# Altium PCB PA_8CH_CTRL.PcbDoc (part 5 of 10)
Units mm, origin at the board's own origin, x right, y up, seen from the top; angles counter-clockwise.
Board outline 390 x 110 mm, 4 copper layers (Component Side, Signal Layer 1, Power Plane, Solder Side), stack 1.604 mm thick; 833 components, 525 nets, 2536 pads, 1881 vias.
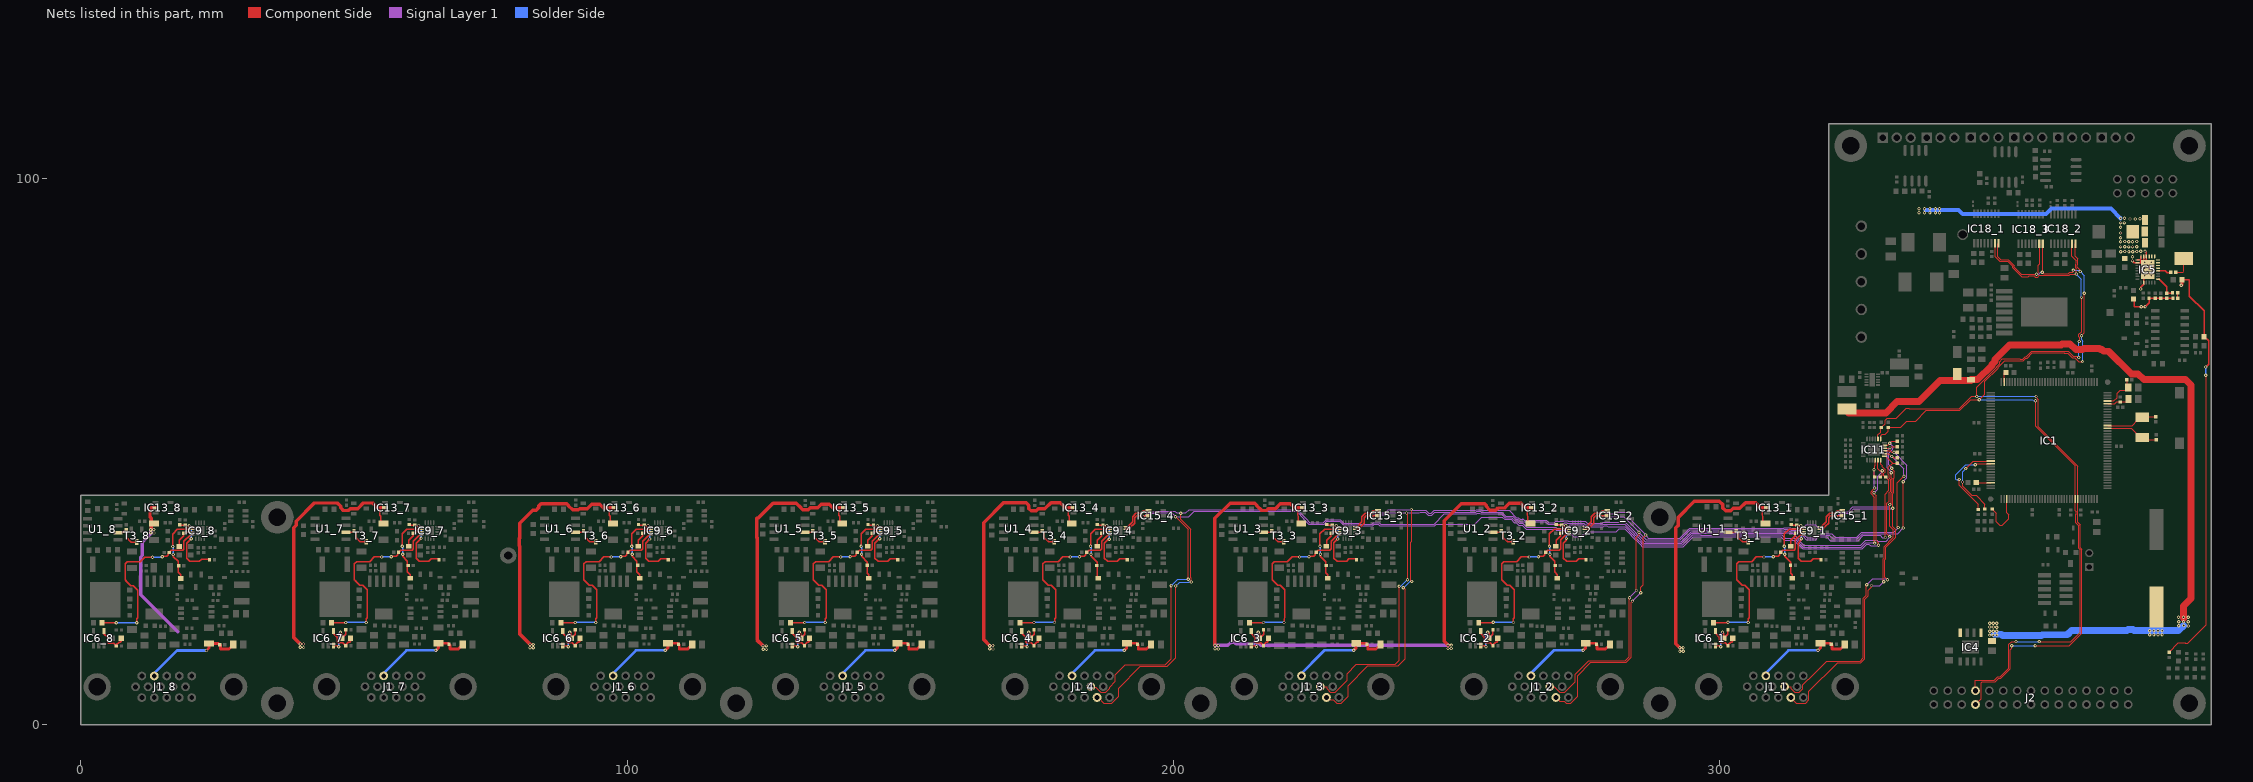
[diagram p7: the nets of this part, all layers, seen from the top]

## Via types
v1: diameter 0.6, hole 0.3, Component Side to Solder Side, tented both sides, 1530 vias
v2: diameter 0.6, hole 0.3, Component Side to Solder Side, 351 vias

## Nets (pads, with @x,y where several pads share a name; then routed paths per layer and width w, separated by ;. In a path a pad name is that pad's centre, name@x,y a point inside that pad or via, vN(x,y) a via of type N, cw(c..) or ccw(c..) an arc to the next point about the centre after c; other vN are vias at no path point) (continued)
I2C4_SCL: IC9_4.3 IC11.11 IC15_4.5 J1_4.9 R74.1 | length 216.6
  Component Side w0.152: J1_4.9@184.895,7 184.961,6.934 185.792,6.934 186.755,5.971 187.607,5.971 188.333,6.698 188.333,6.934 189.351,7.951 189.351,9.214 191.186,11.049 198.552,11.049 199.593,12.09 v1(199.593,25.451) ; v1(200.406,38.1) 202.717,35.789 v1(202.717,26.67) ; v1@328.194,42.724 328.157,42.724 328.026,42.593 328.655,41.963 328.655,33.803 329.082,33.376 v1(329.082,32.893) ; IC11.11@328.991,48.453 328.991,46.853 329.432,46.412 329.521,46.5 v1(329.75,46.5) 329.75,45.682 R74.1@329.432,45.365
  Component Side w0.254: IC9_4.3@191.319,35.81 191.843,35.81 191.92,35.887 191.92,35.99 192.51,36.579 192.612,36.579 192.938,36.905 192.938,37.953 193.287,38.302 193.924,38.302 194.176,38.049 v1(194.462,38.049) 194.715,38.302 195.405,38.302 IC15_4.5@195.448,38.259
  Signal Layer 1 w0.152: v1@194.474,38.232 194.696,38.232 195.207,38.743 197.12,38.743 197.193,38.816 199.69,38.816 v1(200.406,38.1) ; v1@200.406,38.075 202.819,38.075 203.805,39.06 222.597,39.06 223.917,37.74 223.917,37.655 224.835,36.737 227.592,36.737 228.117,37.262 230.43,37.262 231.082,36.61 234.045,36.61 234.209,36.445 236.5,36.445 236.75,36.695 237.555,36.695 237.805,36.445 247.853,36.445 248.161,36.753 255.156,36.753 256.448,38.044 260.193,38.044 260.641,37.597 261.86,37.597 262.431,37.025 262.798,37.025 263.237,36.586 263.846,36.586 264.597,35.835 269.915,35.835 270.079,35.67 272.035,35.67 273.263,34.442 274.615,34.442 274.94,34.768 275.204,34.768 275.827,35.391 281.101,35.391 281.626,35.916 282.591,35.916 283.806,34.701 283.806,34.652 284.652,33.807 284.733,33.807 285.442,33.098 285.442,33.065 285.869,32.638 293.343,32.638 295.172,34.467 296.381,34.467 296.4,34.447 298.85,34.447 298.869,34.467 311.211,34.467 311.851,33.827 313.636,33.827 313.796,33.666 313.796,33.615 315.184,32.228 326.069,32.228 326.908,33.066 327.346,33.066 327.666,32.745 328.935,32.745 v1(329.082,32.893) ; v1(328.25,42.5) 328.286,42.5 328.925,43.139 328.925,45.518 329.75,46.343 v1(329.75,46.5)
  Solder Side w0.152: v1(199.593,25.451) 200.812,26.67 v1(202.717,26.67)
I2C4_SDA: IC9_4.4 IC11.10 IC15_4.4 J1_4.4 R73.1 | length 214.9
  Component Side w0.152: J1_4.4@185.544,5.02 J1_4.4@186.036,5.02 186.255,5.02 187.284,3.991 188.748,3.991 190.004,5.247 190.004,6.743 193.954,10.693 198.857,10.693 200.482,12.319 200.482,25.375 v1(200.431,25.425) ; v1(201.346,38.76) 201.346,37.657 203.221,35.781 203.221,26.914 203.246,26.889 203.246,26.451 203.221,26.426 203.221,26.242 v1(203.302,26.162) ; v1(328.397,33.274) 328.351,33.32 328.351,41.652 327.721,42.281 327.721,42.719 328.031,43.029 328.067,43.029 v1(328.397,43.358) ; R73.1@328.432,45.365 328.491,45.423 328.219,45.696 328.27,45.746 v1(328.27,46.711) 328.37,46.811 328.37,47.447 328.491,47.569 IC11.10@328.491,48.453
  Component Side w0.254: IC9_4.4@191.319,36.31 191.638,36.31 192.532,37.203 192.532,38.121 193.119,38.708 v1@194.037,38.708 ; v1(194.234,38.811) 194.234,38.905 194.537,39.209 IC15_4.4@195.448,39.209
  Signal Layer 1 w0.152: v1(194.234,38.811) 194.471,39.048 196.994,39.048 197.067,39.121 200.3,39.121 200.635,38.786 v1@201.092,38.786 ; v1@201.346,38.786 202.316,38.786 202.895,39.365 222.723,39.365 224.221,37.867 224.221,37.781 224.961,37.042 227.466,37.042 227.991,37.567 230.556,37.567 231.208,36.915 234.171,36.915 234.336,36.75 236.374,36.75 236.624,37 237.681,37 237.931,36.75 247.727,36.75 249.618,38.64 255.52,38.64 255.661,38.781 256.099,38.781 256.239,38.64 260.028,38.64 260.767,37.902 261.986,37.902 262.558,37.33 262.924,37.33 263.364,36.89 263.973,36.89 264.724,36.139 270.041,36.139 270.206,35.975 272.056,35.975 272.366,36.284 272.366,36.349 272.657,36.64 274.967,36.64 275.361,36.246 278.732,36.246 278.934,36.448 279.372,36.448 279.574,36.246 282.693,36.246 284.111,34.827 284.111,34.778 284.778,34.112 284.859,34.112 285.747,33.224 285.747,33.191 285.996,32.943 293.213,32.943 295.042,34.771 296.507,34.771 296.526,34.752 298.724,34.752 298.743,34.771 311.338,34.771 311.978,34.132 313.762,34.132 314.101,33.792 314.101,33.742 315.31,32.533 325.943,32.533 326.781,33.371 328.3,33.371 v1(328.397,33.274) ; v1(328.27,46.711) 328.27,43.485 v1(328.397,43.358)
  Solder Side w0.152: v1(200.431,25.425) 201.147,26.141 202.936,26.141 202.957,26.162 v1(203.302,26.162)
I2C5_SCL: IC9_3.3 IC11.13 IC15_3.5 J1_3.9 R76.1 | length 170.6
  Component Side w0.152: J1_3.9@226.895,7 228.134,7 228.152,6.982 228.152,6.574 228.755,5.971 229.607,5.971 231.803,8.167 231.803,9.375 233.528,11.1 240.651,11.1 241.346,11.795 241.346,25.379 v1(241.325,25.4) ; v1(242.697,38.788) 242.875,38.61 v1(242.875,26.543) ; IC11.13@330.191,49.153 330.425,49.153 331.675,47.903 ; v1(331.14,34.468) 330.637,34.971 330.637,40.554 331.055,40.972 331.055,42.542 331.305,42.792 331.305,44.906 331.055,45.156 331.055,45.743 330.891,45.907 330.891,47.118 331.675,47.903 ; R76.1@332.521,47.903 331.675,47.903
  Component Side w0.254: IC9_3.3@233.319,35.81 233.843,35.81 234.938,36.905 234.938,37.953 235.287,38.302 236.011,38.302 v1@236.082,38.232 ; v1(236.296,38.049) 236.379,38.049 236.632,38.302 237.405,38.302 IC15_3.5@237.448,38.259
  Signal Layer 1 w0.152: v1(236.296,38.049) 236.307,38.049 236.764,38.506 238.883,38.506 239.165,38.788 v1(242.697,38.788) 245.008,38.788 245.166,38.945 246.126,38.945 246.655,38.417 247.345,38.417 247.874,38.945 255.394,38.945 255.534,39.086 256.225,39.086 256.365,38.945 260.154,38.945 260.893,38.206 262.113,38.206 262.684,37.635 263.05,37.635 263.49,37.195 268.124,37.195 268.624,36.695 271.282,36.695 271.618,37.032 272.056,37.032 272.143,36.945 275.093,36.945 275.428,36.61 278.665,36.61 278.807,36.753 282.617,36.753 284.416,34.953 284.416,34.905 284.904,34.417 284.986,34.417 286.052,33.35 286.052,33.317 286.122,33.247 293.087,33.247 294.916,35.076 296.633,35.076 296.652,35.057 298.598,35.057 298.617,35.076 312.078,35.076 312.201,35.2 312.639,35.2 312.787,35.052 313.399,35.052 314.406,34.045 314.406,33.868 315.436,32.837 325.817,32.837 326.782,33.803 328.797,33.803 328.965,33.634 330.47,33.634 331.14,34.304 v1(331.14,34.468)
  Solder Side w0.152: v1(241.325,25.4) 241.635,25.4 242.778,26.543 v1(242.875,26.543)
I2C5_SDA: IC9_3.4 IC11.12 IC15_3.4 J1_3.4 R75.1 | length 170
  Component Side w0.152: J1_3.4@227.544,5.02 J1_3.4@228.036,5.02 228.462,4.594 229.293,4.594 229.896,3.991 230.748,3.991 232.004,5.247 232.004,7.188 235.61,10.795 241.147,10.795 242.443,12.091 242.443,24.841 242.164,25.121 v1(242.113,25.121) ; v1(243.586,39.416) 243.637,39.365 243.637,33.634 243.471,33.469 243.471,26.429 v1(243.637,26.264) ; IC11.12@329.491,48.453 329.491,47.75 329.75,47.491 329.75,47.248 330.279,46.719 330.279,46.281 330.055,46.057 330.055,45.638 330.75,44.943 330.837,44.943 331,44.78 331,42.918 330.332,42.25 330.332,34.336 v1(330.378,34.29)
  Component Side w0.254: IC9_3.4@233.319,36.31 233.638,36.31 234.532,37.203 234.532,38.121 235.119,38.708 236.037,38.708 v1@236.192,38.864 ; v1(236.322,38.811) 236.245,38.811 v1@236.192,38.864 ; IC15_3.4@237.448,39.209 236.537,39.209 v1@236.192,38.864
  Signal Layer 1 w0.152: v1(236.322,38.811) 238.757,38.811 239.362,39.416 v1(243.586,39.416) 243.752,39.25 246.252,39.25 246.781,38.721 247.219,38.721 247.748,39.25 255.268,39.25 255.408,39.391 256.351,39.391 256.492,39.25 260.879,39.25 260.893,39.264 261.486,39.264 262.81,37.94 263.176,37.94 263.486,37.63 263.924,37.63 264.009,37.716 264.225,37.5 268.25,37.5 268.75,37 269.75,37 270,37.25 271.405,37.25 271.492,37.337 272.183,37.337 272.269,37.25 275.398,37.25 275.733,36.915 278.538,36.915 278.681,37.057 282.743,37.057 284.721,35.08 284.721,35.031 285.03,34.721 285.188,34.721 286.357,33.552 292.961,33.552 294.79,35.381 296.759,35.381 296.779,35.362 298.471,35.362 298.491,35.381 311.951,35.381 312.075,35.504 312.765,35.504 312.913,35.357 314.463,35.357 315.206,34.614 315.206,34.589 315.873,33.922 317.575,33.922 318.073,34.42 319.579,34.42 320.257,33.743 325.337,33.743 326.286,34.692 329.403,34.692 329.805,34.29 v1(330.378,34.29)
  Solder Side w0.152: v1(242.113,25.121) 242.2,25.121 243.343,26.264 v1(243.637,26.264)
I2C6_SCL: IC9_2.3 IC11.15 IC15_2.5 J1_2.9 R78.1 | length 125.5
  Component Side w0.152: J1_2.9@268.895,7 269.726,7 270.755,5.971 271.671,5.971 273.55,7.85 273.55,9.245 276.055,11.75 282.75,11.75 283.5,12.5 v1(283.5,23.25) ; v1(284.785,24.587) 284.785,34.341 285.249,34.805 v1(285.249,35.25) ; IC11.15@330.191,50.153 331.254,50.153 331.504,49.903 v1(331.927,49.903) R78.1@332.521,49.903 ; v1(333.629,36.043) v1(333.629,44.5)
  Component Side w0.254: IC9_2.3@275.319,35.81 275.843,35.81 276.938,36.905 276.938,37.953 277.287,38.302 277.921,38.302 277.992,38.232 ; v1(278.257,38.059) 278.299,38.059 278.542,38.302 279.405,38.302 IC15_2.5@279.448,38.259
  Signal Layer 1 w0.152: v1(278.257,38.059) 282.489,38.059 285.249,35.299 v1(285.249,35.25) ; v1(283.5,23.25) 284.785,24.535 v1(284.785,24.587) ; v1@285.021,35.44 286.604,33.857 292.835,33.857 294.663,35.686 296.886,35.686 296.905,35.667 297.595,35.667 297.614,35.686 297.636,35.686 297.655,35.667 298.345,35.667 298.364,35.686 311.825,35.686 311.949,35.809 312.891,35.809 313.039,35.662 314.589,35.662 315.511,34.74 315.511,34.715 315.999,34.227 317.449,34.227 317.887,34.665 317.947,34.725 320.113,34.725 320.791,34.047 325.211,34.047 326.16,34.996 332.583,34.996 v1(333.629,36.043) ; v1(331.927,49.903) 334.279,47.551 334.279,45.281 333.629,44.631 v1(333.629,44.5)
I2C6_SDA: IC9_2.4 IC11.14 IC15_2.4 J1_2.4 R77.1 | length 126.4
  Component Side w0.152: J1_2.4@270.036,5.02 270.76,4.296 271.591,4.296 271.896,3.991 272.748,3.991 274.004,5.247 274.004,9.004 276.445,11.445 282.876,11.445 283.805,12.374 283.805,22.413 v1(284.048,22.657) ; v1(285.572,24.181) 285.572,25.186 286.025,25.638 286.025,34.311 v1(286.461,34.747) ; IC11.14@330.191,49.653 330.992,49.653 v1(331.508,49.136) 331.742,48.903 R77.1@332.521,48.903 ; v1(332.689,36.119) 332.542,36.266 332.542,44.292 v1(333.75,45.5)
  Component Side w0.254: IC9_2.4@275.319,36.31 275.638,36.31 276.532,37.203 276.532,38.121 277.119,38.708 278.037,38.708 278.537,39.209 IC15_2.4@279.448,39.209
  Signal Layer 1 w0.152: v1@278.241,38.913 279.158,38.913 279.403,38.667 281.188,38.667 281.433,38.913 283.237,38.913 283.672,38.478 283.672,37.624 286.461,34.834 v1(286.461,34.747) ; v1(284.048,22.657) v1(285.572,24.181) ; v1@286.647,34.79 286.647,34.485 286.97,34.162 292.708,34.162 294.537,35.991 297.012,35.991 297.031,35.971 297.469,35.971 297.488,35.991 297.762,35.991 297.781,35.971 298.219,35.971 298.238,35.991 311.699,35.991 311.822,36.114 313.018,36.114 313.165,35.966 315.138,35.966 315.824,36.652 317.499,36.652 319.122,35.03 320.519,35.03 321.197,34.352 325.085,34.352 326.034,35.301 331.872,35.301 v1(332.689,36.119) ; v1(331.508,49.136) 333.75,46.894 v1(333.75,45.5)
  other v1: 278.232,38.811
I2C7_SCL: IC9_1.3 IC11.17 IC15_1.5 J1_1.9 R80.1 | length 83.1
  Component Side w0.152: J1_1.9@311.895,7 313.134,7 313.152,7.018 313.152,6.574 313.755,5.971 314.607,5.971 315.21,6.574 315.21,7.385 316.2,8.375 316.316,8.375 319.625,11.684 325.741,11.684 326.309,12.252 326.309,12.69 326.299,12.7 326.299,23.15 326.873,23.724 326.873,25.578 v1(326.923,25.629) ; IC11.17@330.191,51.153 330.781,51.153 331.531,51.903 R80.1@332.521,51.903 ; v1(330.733,26.568) 330.256,27.046 330.256,30.261 330.401,30.406 330.401,32.498 332.232,34.329 332.232,35.712 331.699,36.246 v1(331.699,39.675) 331.699,42.324 331.914,42.539 331.914,45.159 331.973,45.218 331.973,46.396 331.521,46.849 v1(331.521,46.99)
  Component Side w0.254: IC9_1.3@318.319,35.81 318.843,35.81 319.359,36.326 319.359,36.333 319.938,36.912 319.938,37.953 320.287,38.302 321,38.302 321.07,38.232 v1@321.412,38.232 ; v1(321.412,38.049) v1@321.412,38.232 ; IC15_1.5@322.448,38.259 322.405,38.302 321.62,38.302 321.55,38.232 v1@321.412,38.232
  Signal Layer 1 w0.152: v1@321.386,38.049 322.08,38.743 323.689,38.743 324.534,39.588 331.612,39.588 v1(331.699,39.675) ; v1(326.923,25.629) 328.036,26.741 330.56,26.741 v1(330.733,26.568) ; v1(331.14,51.537) 331.749,50.927 331.749,50.673 ; v1(331.521,46.99) 331.521,47.092 330.98,47.633 330.98,49.74 331.719,50.479 331.719,50.673
  Signal Layer 1 w0.254: v1@321.386,38.049 v1(321.412,38.049)
I2C7_SDA: IC9_1.4 IC11.16 IC15_1.4 J1_1.4 R79.1 | length 80
  Component Side w0.152: J1_1.4@313.036,5.02 314.065,3.991 315.748,3.991 316.351,4.594 316.351,6.14 321.589,11.379 325.867,11.379 326.614,12.126 326.614,12.817 326.604,12.826 326.604,23.024 327.177,23.597 327.177,24.638 327.812,25.273 v1(327.812,25.502) ; v1(330.022,26.213) 329.951,26.284 329.951,30.387 330.096,30.533 330.096,32.625 331.8,34.328 331.8,35.713 331.165,36.348 v1(331.165,40.335) 331.394,40.564 331.394,42.45 331.61,42.666 331.61,45.033 331.394,45.248 331.394,46.126 v1(331.445,46.177) ; IC11.16@330.191,50.653 v1@331.191,50.653 ; v1@331.246,50.653 331.496,50.903 R79.1@332.521,50.903
  Component Side w0.254: IC9_1.4@318.319,36.31 318.638,36.31 319.532,37.203 319.532,38.121 320.119,38.708 v1@321.037,38.708 ; v1(321.31,38.811) 321.31,38.862 321.25,38.922 321.537,39.209 IC15_1.4@322.448,39.209
  Signal Layer 1 w0.152: v1(321.31,38.811) 321.547,39.048 323.563,39.048 324.408,39.893 331.078,39.893 331.165,39.98 v1(331.165,40.335) ; v1(327.812,25.502) 329.311,25.502 v1(330.022,26.213) ; v1(331.191,50.698) 330.675,50.183 330.675,47.089 331.434,46.33 331.558,46.33 331.445,46.216 v1(331.445,46.177)
I2C_SCL: IC1.136 IC11.19 IC18_1.16 IC18_2.16 IC18_3.16 J2.23 R62.2 | length 177.6
  Component Side w0.152: IC11.19@329.491,52.353 329.491,52.885 329.794,53.188 330.302,53.188 330.86,53.746 R62.2@330.86,54.445 332.397,54.445 332.473,54.521 333.134,54.521 334.239,55.626 335.915,55.626 337.845,57.556 343.987,57.556 345.969,59.538 v1@347.523,59.538 ; J2.23@346.84,6.27 346.84,8.167 350.302,8.167 350.949,8.814 351.358,8.814 352.914,10.37 352.914,14.25 352.971,14.307 352.971,14.719 353.502,15.25 v2(354.249,15.25) ; v1(347.523,59.512) 348.555,60.544 348.555,62.874 351.007,65.326 351.007,65.472 351.317,65.781 352.202,66.666 355.594,66.666 356.033,67.105 356.286,67.105 357.264,68.083 363.095,68.083 363.124,68.055 363.748,68.055 364.59,67.213 365.021,67.213 365.734,66.5 v2(366.445,66.5) ; IC18_1.16@351.047,88.15 350.92,88.023 350.92,85.661 351.451,85.13 352.876,85.13 353.942,84.064 353.942,83.804 355.246,82.5 v2(358,82.5) ; v1(357.835,59.309) 357.835,54.687 365.074,47.448 IC1.136@365.074,41.345 365.074,39.217 365.247,39.045 365.247,38.588 365.231,38.572 365.231,36.974 365.714,36.492 365.714,32.297 365.984,32.027 365.984,16.984 364.25,15.25 v2(358.499,15.25) ; IC18_3.16@359.148,88.05 359.148,82.964 v2(359.057,82.873) 359.345,82.586 363.845,82.586 364.095,82.836 364.664,82.836 364.75,82.922 v2(364.75,83.25) ; IC18_2.16@365.123,88.1 365.123,85.753 365.583,85.292 365.583,84.331 365.471,84.219 365.471,83.781 366,83.252 v2(366,83) ; v2(366.25,71.25) 366.75,71.75 366.75,78.003 366.778,78.031 366.778,78.972 v2(366.75,79)
  Solder Side w0.152: v1@347.497,59.538 357.265,59.538 357.494,59.309 v1(357.835,59.309) ; v2(354.249,15.25) v2(358.499,15.25) ; v2(358,82.5) 358.375,82.5 358.748,82.873 v2(359.057,82.873) ; v2(364.75,83.25) 365.75,83.25 v2(366,83) 366.75,82.25 v2(366.75,79) ; v2(366.25,71.25) 366.25,70.5 366.499,70.251 v2@366.499,66.501 ; v2(366.445,66.5) v2@366.499,66.5
I2C_SDA: IC1.137 IC11.20 IC18_1.15 IC18_2.15 IC18_3.15 J2.24 R60.2 | length 180.9
  Component Side w0.152: IC11.20@328.991,52.353 328.991,53.071 329.489,53.569 329.489,54.445 R60.2@329.616,54.445 330.302,55.131 330.302,55.749 330.659,56.107 332.321,56.107 334.197,57.983 334.635,57.983 334.758,57.861 343.861,57.861 346.122,60.122 v1(347.066,60.122) 347.066,61.816 350.703,65.453 350.703,65.598 351.252,66.147 351.252,66.503 351.776,67.026 354.976,67.026 355.03,66.971 355.468,66.971 355.907,67.41 356.16,67.41 357.138,68.388 363.846,68.388 364.716,67.518 365.482,67.518 v2(365.75,67.25) ; J2.24@346.84,3.73 347.878,4.768 347.878,7.671 348.07,7.862 350.428,7.862 351.075,8.509 351.484,8.509 353.219,10.244 353.219,13.75 353.5,14.031 v2(353.5,14.5) ; IC18_1.15@350.412,88.15 350.412,85.738 351.325,84.825 352.75,84.825 353.637,83.938 353.637,83.678 355.315,82 356.5,82 356.695,82.195 357.557,82.195 357.781,81.971 358.219,81.971 358.529,82.281 ; v2(357.75,14.5) 358.252,14.5 358.28,14.529 364.029,14.529 366.289,16.789 366.289,32.187 366.019,32.456 366.019,36.618 365.536,37.101 365.536,38.446 365.552,38.461 365.552,41.322 IC1.137@365.574,41.345 365.574,47.379 358.364,54.589 358.364,59.528 357.937,59.955 v1(357.937,60.122) ; IC18_3.15@358.513,88.05 358.601,87.962 358.601,84.426 358.35,84.175 358.35,82.898 358.529,82.719 358.529,82.281 ; IC18_2.15@364.471,88.084 IC18_2.15@364.488,88.1 364.488,85.784 365.279,84.993 365.279,84.457 365.167,84.345 365.167,83.655 365.279,83.543 v2(365.279,82.531) 364.221,82.531 363.971,82.281 358.529,82.281 ; v2(365.819,70.18) 365.819,70.07 365.892,70.07 365.935,70.113 365.935,70.817 365.721,71.031 365.721,71.469 366.249,71.997 v2(366.249,78.25)
  Solder Side w0.152: v1(347.066,60.122) v1(357.937,60.122) ; v2(353.5,14.5) 354.002,14.5 354.031,14.529 357.721,14.529 v2(357.75,14.5) ; v2(365.279,82.531) 366.221,81.588 366.221,78.278 v2(366.249,78.25) ; v2(365.75,67.25) 365.75,70.112 v2(365.819,70.18)
LED1: IC1.98 R101.1 | length 14.9
  Component Side w0.152: v1(344.475,44.45) 344.475,43.702 346.186,41.991 346.959,41.991 348.564,40.386 R101.1@348.564,39.51 ; v1(345.059,46.914) 346.44,48.295 IC1.98@349.624,48.295
  Solder Side w0.152: v1(344.475,44.45) 344.475,46.33 v1(345.059,46.914)
LED2: IC1.99 R102.1 | length 15.8
  Component Side w0.152: v1(343.891,44.933) 343.891,43.856 347.32,40.427 R102.1@347.32,39.434 ; v1(346.812,47.625) 346.981,47.795 IC1.99@349.624,47.795
  Solder Side w0.152: v1(343.891,44.933) 343.662,44.933 343.484,44.755 343.23,45.009 343.23,45.833 345.023,47.625 v1(346.812,47.625)
LED3: IC1.111 R103.1 | length 9.4
  Component Side w0.152: R103.1@349.885,39.51 350.666,38.729 350.666,37.206 351.317,36.555 351.755,36.555 352.954,37.754 352.954,38.486 352.574,38.865 IC1.111@352.574,41.345
MEAS_I_N8V_1: C46_1.1 IC9_1.10 R55_1.2 | length 12.6
  Component Side w0.254: v1(311.845,32.689) 311.841,32.693 311.841,34.946 312.704,35.81 IC9_1.10@315.369,35.81 ; v1(311.942,31.22) 311.942,30.849 313.03,29.761 313.03,27.773 313.288,27.514 R55_1.2@313.288,26.835
  Solder Side w0.254: v1(311.845,32.689) 311.942,32.592 v1(311.942,31.22)
MEAS_I_N8V_2: C46_2.1 IC9_2.10 R55_2.2 | length 12.6
  Component Side w0.254: v1(268.845,32.689) 268.838,32.695 268.838,34.944 269.704,35.81 IC9_2.10@272.369,35.81 ; v1(268.942,31.22) 268.942,30.849 269.805,29.985 269.805,27.997 270.288,27.514 R55_2.2@270.288,26.835
  Solder Side w0.254: v1(268.845,32.689) 268.942,32.592 v1(268.942,31.22)
MEAS_I_N8V_3: C46_3.1 IC9_3.10 R55_3.2 | length 12.6
  Component Side w0.254: v1(226.845,32.689) 226.845,34.951 227.704,35.81 IC9_3.10@230.369,35.81 ; v1(226.942,31.22) 226.942,30.849 227.914,29.876 227.914,27.888 228.288,27.514 R55_3.2@228.288,26.835
  Solder Side w0.254: v1(226.845,32.689) 226.942,32.592 v1(226.942,31.22)
MEAS_I_N8V_4: C46_4.1 IC9_4.10 R55_4.2 | length 12.6
  Component Side w0.254: v1(184.845,32.689) 184.845,34.951 185.704,35.81 IC9_4.10@188.369,35.81 ; v1(184.942,31.22) 184.942,30.849 186.055,29.735 186.055,27.068 R55_4.2@186.288,26.835
  Solder Side w0.254: v1(184.845,32.689) 184.942,32.592 v1(184.942,31.22)
MEAS_I_N8V_5: C46_5.1 IC9_5.10 R55_5.2 | length 12.6
  Component Side w0.254: v1(142.845,32.689) 142.845,34.951 143.704,35.81 IC9_5.10@146.369,35.81 ; v1(142.942,31.22) 142.942,30.849 144.018,29.772 144.018,27.784 144.288,27.514 R55_5.2@144.288,26.835
  Solder Side w0.254: v1(142.845,32.689) 142.942,32.592 v1(142.942,31.22)
MEAS_I_N8V_6: C46_6.1 IC9_6.10 R55_6.2 | length 12.6
  Component Side w0.254: v1(100.845,32.689) 100.845,34.951 101.704,35.81 IC9_6.10@104.369,35.81 ; v1(100.942,31.22) 100.942,30.849 101.805,29.985 101.805,27.997 102.288,27.514 R55_6.2@102.288,26.835
  Solder Side w0.254: v1(100.845,32.689) 100.942,32.592 v1(100.942,31.22)
MEAS_I_N8V_7: C46_7.1 IC9_7.10 R55_7.2 | length 12.6
  Component Side w0.254: v1(58.845,32.689) 58.845,34.951 59.704,35.81 IC9_7.10@62.369,35.81 ; v1(58.942,31.22) 58.942,30.849 59.805,29.985 59.805,27.997 60.288,27.514 R55_7.2@60.288,26.835
  Solder Side w0.254: v1(58.845,32.689) 58.942,32.592 v1(58.942,31.22)
MEAS_I_N8V_8: C46_8.1 IC9_8.10 R55_8.2 | length 12.6
  Component Side w0.254: v1(16.845,32.66) 16.845,34.922 17.704,35.781 IC9_8.10@20.369,35.781 ; v1(16.942,31.191) 16.942,30.82 17.805,29.956 17.805,27.968 18.288,27.485 R55_8.2@18.288,26.806
  Solder Side w0.254: v1(16.845,32.66) 16.942,32.563 v1(16.942,31.191)
MEAS_I_P6V_1: C44_1.1 IC9_1.11 R53_1.2 | length 4.1
  Component Side w0.254: R53_1.2@313.212,32.706 313.059,32.858 313.059,33.786 313.89,34.617 C44_1.1@313.89,35.081 ; C44_1.1@314.119,35.259 314.17,35.31 IC9_1.11@315.369,35.31
MEAS_I_P6V_2: C44_2.1 IC9_2.11 R53_2.2 | length 4.1
  Component Side w0.254: R53_2.2@270.212,32.706 270.059,32.858 270.059,33.786 270.89,34.617 C44_2.1@270.89,35.081 ; C44_2.1@271.119,35.259 271.17,35.31 IC9_2.11@272.369,35.31
MEAS_I_P6V_3: C44_3.1 IC9_3.11 R53_3.2 | length 4.1
  Component Side w0.254: R53_3.2@228.212,32.706 228.059,32.858 228.059,33.786 228.89,34.617 C44_3.1@228.89,35.081 ; C44_3.1@229.119,35.259 229.17,35.31 IC9_3.11@230.369,35.31
MEAS_I_P6V_4: C44_4.1 IC9_4.11 R53_4.2 | length 4.1
  Component Side w0.254: R53_4.2@186.212,32.706 186.059,32.858 186.059,33.786 186.89,34.617 C44_4.1@186.89,35.081 ; C44_4.1@187.119,35.259 187.17,35.31 IC9_4.11@188.369,35.31
MEAS_I_P6V_5: C44_5.1 IC9_5.11 R53_5.2 | length 4.1
  Component Side w0.254: R53_5.2@144.212,32.706 144.059,32.858 144.059,33.786 144.89,34.617 C44_5.1@144.89,35.081 ; C44_5.1@145.119,35.259 145.17,35.31 IC9_5.11@146.369,35.31
MEAS_I_P6V_6: C44_6.1 IC9_6.11 R53_6.2 | length 4.1